# Altium PCB Nixie_PCB.PcbDoc (part 2 of 2)
Units mil, origin at the board's own origin, x right, y up, seen from the top; angles counter-clockwise.
Board outline 9450 x 3149.61 mil, 2 copper layers (Top Layer, Bottom Layer); 131 components, 158 nets, 577 pads, 248 vias.
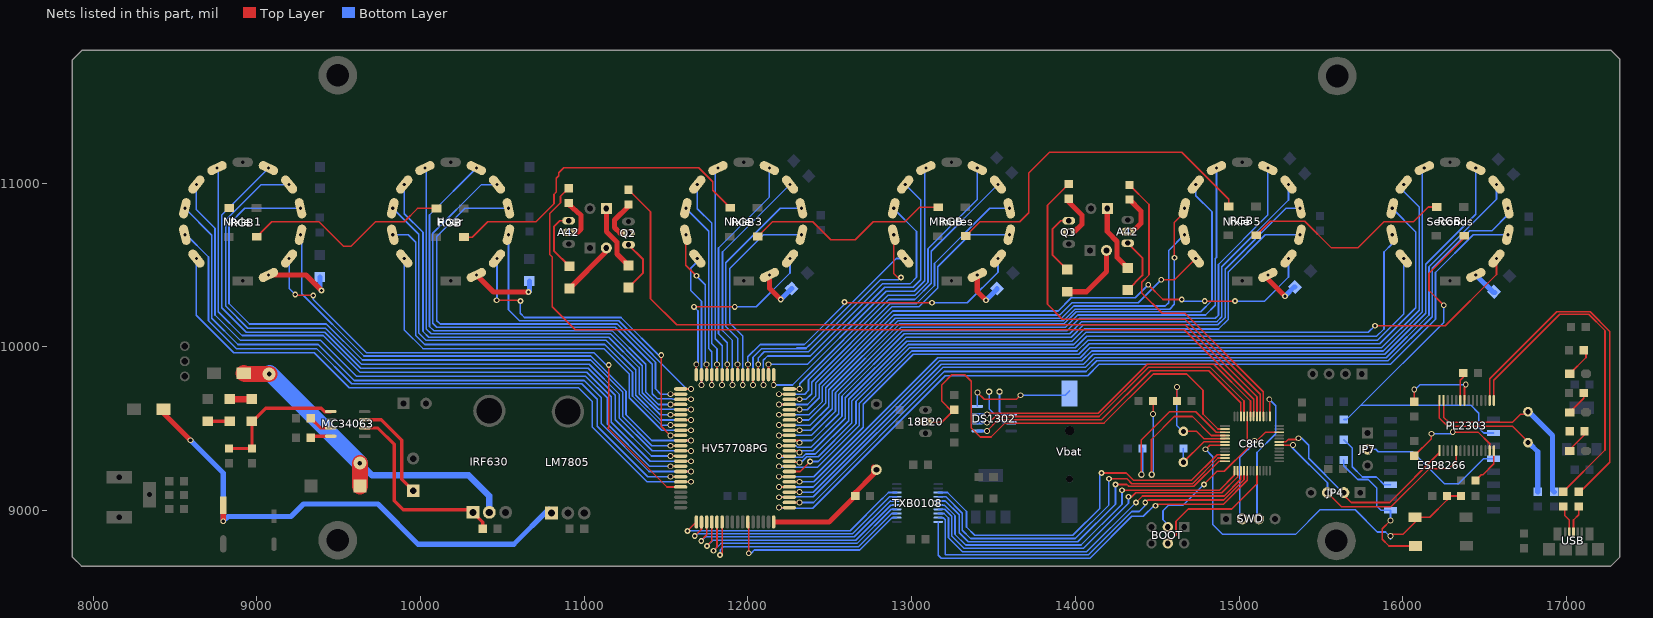
[diagram p2: the nets of this part, all layers, seen from the top]

## Via types
v1: diameter 35.43, hole 23.62, Top Layer to Bottom Layer, 109 vias
v2: diameter 35.43, hole 19.68, Top Layer to Bottom Layer, 99 vias
v3: diameter 39.37, hole 28, Top Layer to Bottom Layer, 36 vias
v4: diameter 78.74, hole 28, Top Layer to Bottom Layer, 3 vias
v5: diameter 39.37, hole 23.62, Top Layer to Bottom Layer, 1 vias

## Nets (pads, with @x,y where several pads share a name; then routed paths per layer and width w, separated by ;. In a path a pad name is that pad's centre, name@x,y a point inside that pad or via, vN(x,y) a via of type N, cw(c..) or ccw(c..) an arc to the next point about the centre after c; other vN are vias at no path point) (continued)
BLINK_1: 20K.2@10910,10492.5 A42.3@10905,10770.87 | length 386.7
  Top Layer w12: A42.3@10905,10770.87 10850.87,10770.87 10815,10735 10815,10587.5 20K.2@10910,10492.5
BLINK_2: Q2.3 R32.2 | length 343.3
  Top Layer w12: R32.2@11265,10357.5 R32.2@11270,10362.5 11360,10452.5 11360,10534.13 Q2.3@11270,10624.13
BLINK_3: Q3.3 R37.2 | length 405.8
  Top Layer w12: R37.2@13950,10472.5 13860,10562.5 13860,10720 13910.87,10770.87 Q3.3@13960,10770.87
BLINK_4: A42.3@14320,10634.13 R36.1 | length 382.4
  Top Layer w12: R36.1@14305,10332.5 R36.1@14320,10347.5 14410,10437.5 14410,10544.13 A42.3@14320,10634.13
BOOT0: BOOT.3 C8t6.44 | length 1005.4
  Top Layer w10: BOOT.3@14565,8900 BOOT.3@14565,8925 ; v2(14785,9160) 14865,9240 14910,9240 15050.12,9380.12 C8t6.44@15050.12,9575.51
  Bottom Layer w10: BOOT.3@14565,8900 14565,8915 14535,8945 14535,9000 14570,9035 14660,9035 v2(14785,9160)
BOOT1: BOOT.4 C8t6.20 | length 825.4
  Top Layer w10: BOOT.4@14565,8800 14615,8850 14615,8935 14690,9010 14955,9010 15109.17,9164.17 C8t6.20@15109.17,9244.8
CLK_CE: C8t6.46 DS1302.5 | length 1926.5
  Top Layer w10: v1(13459.8,9486.73) 13528.07,9555 14160,9555 14460,9855 14815,9855 15010.75,9659.25 C8t6.46@15010.75,9575.51
  Bottom Layer w19.68: DS1302.5@13401.65,9486.73 v1(13459.8,9486.73)
CLK_IO: C8t6.45 DS1302.6 | length 1950.8
  Top Layer w10: v1@13461.73,9540 13468.46,9540 13471.73,9536.73 13510,9575 14145,9575 14445,9875 14825,9875 15030.43,9669.57 C8t6.45@15030.43,9575.51
  Bottom Layer w19.68: DS1302.6@13401.65,9536.73 13404.92,9540 v1@13461.73,9540
  other v1: 13459.8,9536.73
CLK_SCLK: C8t6.43 DS1302.7 | length 1983.6
  Top Layer w10: v1(13459.8,9586.73) 13468.07,9595 14140,9595 14440,9895 14845,9895 15069.8,9670.2 C8t6.43@15069.8,9575.51
  Bottom Layer w19.68: DS1302.7@13401.65,9586.73 v1(13459.8,9586.73)
DIN1: C8t6.10 TXB0108.3 | length 2282.6
  Top Layer w10: v2(14160,9230) 14310,9230 14355,9185 14710,9185 14866.26,9341.26 C8t6.10@14914.29,9341.26
  Bottom Layer w10: TXB0108.3@13161.97,9110.59 13219.41,9110.59 13335,8995 13335,8900 13385,8850 13985,8850 14150,9015 14150,9230 v2(14160,9230)
DIN2: C8t6.11 TXB0108.4 | length 2241.7
  Top Layer w10: v2(14205,9195) 14315,9195 14345,9165 14715,9165 14871.58,9321.58 C8t6.11@14914.29,9321.58
  Bottom Layer w10: TXB0108.4@13161.97,9085 13210,9085 13310,8985 13310,8880 13360,8830 14000,8830 14205,9035 v2(14205,9195)
DIN3: C8t6.12 TXB0108.5 | length 2203.2
  Top Layer w10: v2(14245,9160) 14315,9160 14326,9149 14724,9149 14876.89,9301.89 C8t6.12@14914.29,9301.89
  Bottom Layer w10: TXB0108.5@13161.97,9059.41 13205.59,9059.41 13290,8975 13290,8865 13345,8810 14015,8810 14245,9040 v2(14245,9160)
DIN4: C8t6.13 TXB0108.6 | length 2232.6
  Top Layer w10: v2(14285,9125) 14880,9125 14971.38,9216.38 C8t6.13@14971.38,9244.8
  Bottom Layer w10: TXB0108.6@13161.97,9033.82 13201.18,9033.82 13265,8970 13265,8855 13330,8790 14035,8790 14285,9040 v2(14285,9125)
HV_CLK: C8t6.15 TXB0108.8 | length 2252.1
  Top Layer w10: v2(14370,9050) 14410,9090 14909.75,9090 15010.75,9191 C8t6.15@15010.75,9244.8
  Bottom Layer w10: TXB0108.8@13161.97,8982.64 13197.64,8982.64 13225,8955.28 13225,8835 13310,8750 14070,8750 v2(14370,9050)
HV_LE: C8t6.14 TXB0108.7 | length 2240.9
  Top Layer w10: v2(14325,9085) 14345,9085 14369,9109 14894,9109 14991.06,9206.06 C8t6.14@14991.06,9244.8
  Bottom Layer w10: TXB0108.7@13161.97,9008.23 13201.77,9008.23 13245,8965 13245,8845 13320,8770 14050,8770 14325,9045 v2(14325,9085)
HV_POL: C8t6.16 TXB0108.9 | length 2344.2
  Top Layer w10: v2(14427.5,9050) 14442.5,9065 14907.37,9065 15030.43,9188.06 C8t6.16@15030.43,9244.8
  Bottom Layer w10: TXB0108.9@13161.97,8957.05 13192.95,8957.05 13205,8945 13205,8730 14080,8730 14345,8995 14390,8995 14425,9030 v2@14425,9050
HVCLK: HV57708PG.30 TXB0108.13 | length 1414.4
  Top Layer w10: v2(11830,8730) 11840,8730 11842.26,8732.26 HV57708PG.30@11842.26,8931.2
  Bottom Layer w10: v2(11830,8730) 11830,8760 11850,8780 12675,8780 12877.64,8982.64 TXB0108.13@12910,8982.64
HVDIN1: HV57708PG.25 TXB0108.18 | length 1455.4
  Top Layer w10: v2(11630,8875) 11630,8875.98 11685,8930.98 HV57708PG.25@11684.78,8931.2
  Bottom Layer w10: v2@11630,8878 12625,8878 12821,9074 12821.63,9074 12858.22,9110.59 TXB0108.18@12910,9110.59
HVDIN2: HV57708PG.26 TXB0108.17 | length 1437.7
  Top Layer w10: v2(11675,8845) 11716.28,8886.28 HV57708PG.26@11716.28,8931.2
  Bottom Layer w10: v2(11675,8845) 11680,8845 11695,8860 12640,8860 12865,9085 TXB0108.17@12910,9085
HVDIN3: HV57708PG.27 TXB0108.16 | length 1433.1
  Top Layer w10: v2(11715,8815) 11710,8815 11747.77,8852.77 HV57708PG.27@11747.77,8931.2
  Bottom Layer w10: v2(11715,8815) 11740,8840 12650,8840 12869.41,9059.41 TXB0108.16@12910,9059.41
HVDIN4: HV57708PG.28 TXB0108.15 | length 1421.4
  Top Layer w10: v2(11750,8785) 11779.27,8814.27 HV57708PG.28@11779.27,8931.2
  Bottom Layer w10: v2(11750,8785) 11785,8820 12658.43,8820 12872.25,9033.82 TXB0108.15@12910,9033.82
HVLE: HV57708PG.29 TXB0108.14 | length 1409.7
  Top Layer w10: v2(11790,8755) 11810.76,8775.76 HV57708PG.29@11810.76,8931.2
  Bottom Layer w10: v2(11790,8755) 11835,8800 12666.72,8800 12874.94,9008.23 TXB0108.14@12910,9008.23
HVPOL: HV57708PG.35 TXB0108.12 | length 1188.3
  Top Layer w10: HV57708PG.35@11999.74,8931.2 12005,8925.94 v2(12005,8740)
  Bottom Layer w10: v2(12005,8740) 12019.48,8740 12039.48,8760 12683.28,8760 12880.33,8957.05 TXB0108.12@12910,8957.05
LED: R2.2
LOGIC_OE: C8t6.17 TXB0108.10 | length 2359.7
  Top Layer w10: v2(14490,9030) 14500,9040 14905,9040 15050.12,9185.12 C8t6.17@15050.12,9244.8
  Bottom Layer w10: TXB0108.10@13161.97,8931.46 13161.97,8728.03 13180,8710 14090,8710 14345,8965 14415,8965 14485,9035 v2(14490,9030)
NetC7_1: 32.768.2@14403.5,9220 C7.1 C8t6.3 | length 1041.4
  Top Layer w10: 32.768.2@14402.01,9205 14402.01,9432.01 14575,9605 14735,9605 14860.94,9479.06 C8t6.3@14914.29,9479.06
  Bottom Layer w10: 32.768.2@14402.01,9205 14410,9212.99 C7.1@14410,9380
NetC8_1: 20p.1@14475,9670 32.768.1@14466.5,9220 C8t6.4 | length 1254.3
  Top Layer w10: 32.768.1@14465,9205 14465,9435 14605,9575 14715,9575 14830.63,9459.37 C8t6.4@14914.29,9459.37 ; v1(14475,9590) 20p.1@14475,9670
  Bottom Layer w10: 32.768.1@14465,9205 14475,9215 v1(14475,9590)
NetC13_1: 12M.2 C13.1 PL2303.27 | length 1212.5
  Top Layer w10: PL2303.27@16249.25,9673.54 16249.25,9570.75 16280,9540 16670,9540 16720,9590 16765.51,9590 12M.2@16775,9599.49
  Bottom Layer w31.5: 12M.2@16775,9599.49 16915,9459.49 16915,9125 C13.1@16925,9115
NetC14_1: 12M.1 20p.1@16825,9115 PL2303.28 | length 1039.3
  Top Layer w10: PL2303.28@16223.66,9673.54 16223.66,9566.34 16275,9515 16670.51,9515 12M.1@16775,9410.51
  Bottom Layer w31.5: 12M.1@16775,9410.51 16825,9360.51 20p.1@16825,9115
NetC21_A: 100u.A LM7805.1 M7.K | length 3158.1
  Top Layer w31.5: M7.K@8430.55,9620 8430.55,9594.45 v1(8595,9430) ; v1(8795,8935) 100u.A@8795,9033.11
  Bottom Layer w31.5: v1(8595,9430) 8795,9230 v1(8795,8935) 8824.65,8964.65 9209.65,8964.65 9285,9040 9740,9040 9985,8795 10570,8795 LM7805.1@10785,9010
NetC502_A: 1n.A MC34063.3 | length 615.9
  Top Layer w20: MC34063.3@9658.35,9555 9760,9555 9885,9430 9885,9191.57 1n.A@9955,9121.57
NetC503_2: 1M.1 8.2K.2 104.2@8830,9380 MC34063.5 | length 829
  Top Layer w20: 104.2@8830,9380 8.2K.2@8970,9380 1M.1@8970,9546.59 8976.59,9546.59 9055,9625 9395,9625 9415,9605 MC34063.5@9451.65,9605
NetCR1_DC+: DS1302.8 Vbat.DC+ | length 686.9
  Top Layer w10: v1(13401.65,9721.65) 13443.31,9680 13640,9680 v1(13665,9705)
  Bottom Layer w10: DS1302.8@13401.65,9636.73 v1(13401.65,9721.65) ; v1(13665,9705) 13938.27,9705 Vbat.DC+@13965,9731.73
NetD1_K: 240K.2 HV57708PG.40 Zener.K | length 779.9
  Top Layer w31.5: HV57708PG.40@12165,8931.2 12496.2,8931.2 240K.2@12655,9090 12655,9110 12767.5,9222.5 Zener.K@12767.5,9267.5
NetJP7_2: ESP8266.12 JP7.2 | length 920.2
  Bottom Layer w10: JP7.2@15785,9375 15835,9375 15850,9360 16060,9360 16255,9165 16340,9165 16492.8,9317.8 ESP8266.12@16554.92,9317.8
NetL51_2: 330UH.2 IRF630.2 VD2.A | length 2054.3
  Top Layer w100: VD2.A@8920.55,9840 8925.55,9835 v4(9075,9835) ; 330UH.2@9630,9150 v4(9630,9290)
  Bottom Layer w39.37: v4(9630,9290) 9705,9215 10295,9215 10420,9090 IRF630.2@10420,8990
  Bottom Layer w100: v4(9075,9835) 9080,9840 v4(9630,9290)
NetLED1_A: LED.A R2.1 | length 160.6
  Top Layer w10: LED.A@17020,9365 17016,9369 17110,9463 R2.1@17110,9485
NetLED2_A: POWER.A R0.1 | length 154.4
  Top Layer w10: POWER.A@17020,9600.6 17106,9686.6 R0.1@17106,9719.4
NetLED3_2: RGB.2@16207,10855.19 RGB.4@15105,10683 | length 1308.4
  Top Layer w10: RGB.4@15105,10683 15190,10768 15402,10768 15565,10605 15725,10605 15885,10765 16065,10765 16155.19,10855.19 RGB.2@16207,10855.19
NetLED4_2: RGB.2@14937,10858.19 RGB.4@13330,10678 | length 2125.1
  Top Layer w10: RGB.4@13330,10678 13417,10765 13660,10765 13715,10820 13715,11063 13842,11190 14650,11190 14937,10903 RGB.2@14937,10858.19
NetLED5_2: RGB.2@13162,10853.19 RGB.4@12060,10675 | length 1266.9
  Top Layer w10: RGB.4@12060,10675 12150,10765 12395,10765 12505,10655 12655,10655 12765,10765 12960,10765 13048.19,10853.19 RGB.2@13162,10853.19
NetLED6_2: RGB.2@11892,10850.19 RGB.4@10266,10671 | length 2027.7
  Top Layer w10: RGB.4@10266,10671 10316,10671 10410,10765 10705,10765 10815,10875 10815,10931.52 10830,10946.52 10830,11030 10845,11045 10845,11065 10875,11095 11700,11095 11785,11010 11785,10957.19 RGB.2@11892,10850.19
NetLED7_2: RGB.2@10098,10846.19 RGB.4@9000,10673 | length 1294
  Top Layer w10: RGB.4@9000,10673 9092,10765 9380,10765 9530,10615 9575,10615 9725,10765 9900,10765 9981.19,10846.19 RGB.2@10098,10846.19
NetLED9_A: 8266IO.A R103.1 | length 190.2
  Top Layer w10: 8266IO.A@17020,9836.2 17119,9935.2 17119,9967 R103.1@17106,9980
"NetNixie 1_2": "Nixie 1.2" R40.2 | length 449.7
  Top Layer w31.5: 9071.15,10439.76 9300.24,10439.76 v2(9395,10345)
  Bottom Layer w31.5: R40.2@9385,10427.5 9385,10355 v2(9395,10345)
"NetNixie 2_2": Hour.2 R31.1 | length 431.8
  Top Layer w31.5: Hour.2@10341.15,10439.76 10445.91,10335 v2(10660,10335)
  Bottom Layer w31.5: v2(10660,10335) 10665,10340 R31.1@10665,10402.5
"NetNixie 3_2": "Nixie 3.2" R33.1 | length 273.4
  Top Layer w31.5: 12131.15,10439.76 12131.15,10358.85 v2(12200,10290)
  Bottom Layer w31.5: v2(12200,10290) R33.1@12267.27,10357.27
"NetNixie 4_2": Minutes.2 R34.1 | length 277.2
  Top Layer w31.5: Minutes.2@13401.15,10439.76 13401.15,10338.85 v2(13455,10285)
  Bottom Layer w31.5: v2(13455,10285) 13522.27,10352.27 R34.1@13522.27,10357.27
"NetNixie 5_2": "Nixie 5.2" R38.2 | length 258.8
  Top Layer w31.5: 15176.15,10439.76 15176.15,10413.85 v2(15280,10310)
  Bottom Layer w31.5: v2(15280,10310) 15337.27,10367.27 R38.2@15342.27,10367.27
"NetNixie 6_2": 20K.2@16557.27,10337.27 Seconds.2 | length 160.6
  Bottom Layer w31.5: Seconds.2@16446.15,10439.76 16553.64,10332.27 20K.2@16562.27,10332.27
NetPoint1_2: 20K.1@10910,10357.5 +.2@11135,10605 | length 340.7
  Top Layer w31.5: 20K.1@10910,10357.5 11135,10582.5 +.2@11135,10605
NetPoint2_1: +.1@11135,10845 R32.1 | length 403.4
  Top Layer w31.5: +.1@11135,10845 11135,10705 11200,10640 11200,10567.5 R32.1@11270,10497.5
NetPoint3_2: +.2@14190,10590 R37.1 | length 420.7
  Top Layer w31.5: R37.1@13950,10337.5 14067.5,10337.5 14190,10460 +.2@14190,10590
NetPoint4_1: +.1@14195,10845 R36.2 | length 414.3
  Top Layer w31.5: +.1@14195,10845 14195,10705 14255,10645 14255,10547.5 R36.2@14320,10482.5
NetQ1_2: 20K.1@10905,10880 A42.2@10905,10700 | length 282.5
  Top Layer w31.5: A42.2@10905,10700 10960,10700 10980,10720 10980,10805 10905,10870 20K.1@10905,10880 20K.1@10905,10885
NetQ2_2: Q2.2 R302.1 | length 274.7
  Top Layer w31.5: Q2.2@11270,10695 11220,10695 11185,10730 11185,10775 11270,10860 R302.1@11270,10870
NetQ3_2: Q3.2 R303.1 | length 288.8
  Top Layer w31.5: Q3.2@13960,10700 13965,10705 13995,10705 14040,10750 14040,10805 13960,10885 R303.1@13960,10905
NetQ4_2: A42.2@14320,10705 R304.1 | length 274.7
  Top Layer w31.5: A42.2@14320,10705 14350,10705 14400,10755 14400,10830 R304.1@14330,10900
NetQ5_1: IRF630.1 MC34063.2 R53.2 | length 1210.7
  Top Layer w20: MC34063.2@9658.35,9505 9740,9505 9840,9405 9840,9060 9895,9005 10320,9005 IRF630.1@10320,8990 10380,8930 R53.2@10380,8890
NetR10_2: PL2303.13 R10.2 | length 610.5
  Top Layer w10: R10.2@16070,9335 16175,9440 v1(16175,9470) ; v1(16305,9480) 16460,9480 16530.75,9409.25 PL2303.13@16530.75,9366.46
  Bottom Layer w10: v1(16175,9470) 16295,9470 v1(16305,9480)
NetR11_2: 10K.2@16445,9185 PL2303.14 | length 233.4
  Top Layer w10: 10K.2@16445,9185 16480,9220 16490,9220 16556.34,9286.34 PL2303.14@16556.34,9366.46
NetR12_1: 10K.1@16070,9665 PL2303.22 | length 520.4
  Top Layer w10: 10K.1@16070,9665 16065,9670 16070,9675 v1(16070,9740) ; PL2303.22@16377.2,9673.54 16377.2,9752.2 16385,9760 v1(16385,9770)
  Bottom Layer w10: v1@16065,9730 v1@16070,9735 ; v1(16070,9740) v1@16070,9735 ; v1(16385,9770) 16105,9770 v1@16070,9735
NetR13_1: 10K.1@16370,9840 PL2303.23 | length 174.1
  Top Layer w10: PL2303.23@16351.61,9673.54 16351.61,9796.61 16370,9815 10K.1@16370,9840
NetR14_1: 18.1@16980,9115 PL2303.15 | length 2099.9
  Top Layer w10: PL2303.15@16556.34,9673.54 16556.34,9796.34 16959,10199 17136,10199 17235,10100 17235,9370 18.1@16980,9115
NetR14_2: 18.2@16980,9025 USB.2 | length 170.5
  Top Layer w10: 18.2@16980,9025 16990,9015 16990,8970 17017.5,8942.5 USB.2@17017.5,8870
NetR15_1: 18.1@17075,9115 PL2303.16 | length 2150.2
  Top Layer w10: PL2303.16@16530.75,9673.54 16530.75,9805.75 16940,10215 17145,10215 17265,10095 17265,9295 17085,9115 18.1@17075,9115
NetR15_2: 18.2@17075,9025 USB.3 | length 168.3
  Top Layer w10: USB.3@17043,8870 17043,8943 17075,8975 18.2@17075,9025
NetR51_1: 100.1@9330,9445 MC34063.8 | length 125.8
  Top Layer w20: 100.1@9330,9445 9340,9455 MC34063.8@9451.65,9455
NetR52_1: 0.33.1 MC34063.7 | length 146.5
  Top Layer w20: 0.33.1@9330,9565 9390,9505 MC34063.7@9451.65,9505
NetR54_1: 47K.1 100K.1 | length 135
  Top Layer w20: 47K.1@8700,9546.59 100K.1@8835,9546.59
NetR55_2: 1M.2 100K.2 | length 135
  Top Layer w39.37: 100K.2@8835,9681.59 1M.2@8970,9681.59
NetR61_2: 10K.2@15640,9433.33 ESP8266.3 | length 465.1
  Bottom Layer w10: 10K.2@15640,9433.33 15691,9382.33 15691,9269 15754,9206 15839,9206 15886.26,9158.74 ESP8266.3@15925,9158.74
NetR62_2: 100.2@15640,9310 8266.1 ESP8266.1 | length 915.1
  Top Layer w10: v1(15925,8940) 15875,8890 15875,8825 15915.79,8784.21 8266.1@16077.69,8784.21
  Bottom Layer w10: 100.2@15640,9310 15640,9275 15725,9190 15790,9190 15840,9140 15840,9030 15867.56,9002.44 ESP8266.1@15925,9002.44 v1(15925,8940)
NetU7_2: 32.768.2@13536.5,9726.73 DS1302.2 | length 202
  Bottom Layer w10: 32.768.2@13536.5,9726.73 13536.5,9603.5 13553.27,9586.73 DS1302.2@13608.35,9586.73
NetU7_3: 32.768.1@13473.5,9726.73 DS1302.3 | length 275.2
  Bottom Layer w10: 32.768.1@13473.5,9726.73 13473.5,9621.5 13558.27,9536.73 DS1302.3@13608.35,9536.73
OSCIN: 8M.1 20p.1@14620,9670 C8t6.5 | length 647.6
  Top Layer w10: 20p.1@14620,9670 v1(14620,9755) ; 8M.1@14660,9484.49 14740.51,9484.49 14785.31,9439.69 C8t6.5@14914.29,9439.69
  Bottom Layer w10: v1(14620,9755) 14620,9520 14655.51,9484.49 8M.1@14660,9484.49
OSCOUT: 8M.2 C8t6.6 C9.1 | length 390.3
  Top Layer w10: 8M.2@14660,9295.51 14784.49,9420 C8t6.6@14914.29,9420
  Bottom Layer w10: 8M.2@14660,9295.51 C9.1@14660,9380
POINT_1: 20K.2@10905,10970 C8t6.42 | length 5402.2
  Top Layer w10: 20K.2@10905,10970 10855,10920 10855,10880 10790,10815 10790,10565 10805,10550 10805,10245 10945,10105 14665,10105 15089.49,9680.51 C8t6.42@15089.49,9575.51
POINT_2: C8t6.41 R302.2 | length 4793.6
  Top Layer w10: R302.2@11270,10960 11405,10825 11405,10295 11565,10135 14670,10135 15109.17,9695.83 C8t6.41@15109.17,9575.51
POINT_3: C8t6.40 R303.2 | length 2450.7
  Top Layer w10: R303.2@13960,10995 13830,10865 13830,10260 13920,10170 14670,10170 15128.86,9711.14 C8t6.40@15128.86,9575.51
POINT_4: C8t6.39 R304.2 | length 1872.8
  Top Layer w10: R304.2@14330,10990 14450,10870 14450,10440 14405,10395 14405,10330 14530,10205 14670,10205 15148.54,9726.46 C8t6.39@15148.54,9575.51
QS1-0: "Nixie 1.3" HV57708PG.20 | length 3328.4
  Top Layer w10: v2(9235,10320) 9240,10325 9250,10315 v2(9345,10315) ; v2(11150,9890) 11150,9510 11145,9505 11505.22,9144.78 HV57708PG.20@11589.31,9144.78
  Bottom Layer w10: 9197.18,10540.26 9197.18,10357.82 v2(9235,10320) ; v2(9345,10315) 9345,10290 9670,9965 11060,9965 11135,9890 v2(11150,9890)
QS1-1: "Nixie 1.13" HV57708PG.19 | length 3943.1
  Top Layer w10: HV57708PG.19@11589.31,9176.28 v1(11652.38,9176.28)
  Bottom Layer w10: 8630.82,10540.26 8630.82,10194.18 8860,9965 9350,9965 9565,9750 10965,9750 11050,9665 11050,9510 11383.72,9176.28 v1(11652.38,9176.28)
QS1-2: "Nixie 1.12" HV57708PG.18 | length 3965.6
  Top Layer w10: v1(11526.24,9207.77) HV57708PG.18@11589.31,9207.77
  Bottom Layer w10: 8560.88,10685.5 8569.5,10685.5 8705,10550 8705,10160 8875,9990 9365,9990 9580,9775 10985,9775 11080,9680 11080,9515 11387.23,9207.77 v1(11526.24,9207.77)
QS1-3: "Nixie 1.11" HV57708PG.17 | length 4211.4
  Top Layer w10: HV57708PG.17@11589.31,9239.27 v1(11652.38,9239.27)
  Bottom Layer w10: 8560.88,10846.69 8725,10682.57 8725,10175 8885,10015 9375,10015 9595,9795 11000,9795 11105,9690 11105,9530 11395.73,9239.27 v1(11652.38,9239.27)
QS1-4: "Nixie 1.10" HV57708PG.16 | length 4165.1
  Top Layer w10: v1(11526.24,9270.76) HV57708PG.16@11589.31,9270.76
  Bottom Layer w10: 8630.82,10991.93 8630.82,10839.18 8745,10725 8745,10195 8900,10040 9390,10040 9610,9820 11010,9820 11140,9690 11140,9530 11399.24,9270.76 v1(11526.24,9270.76)
QS1-5: "Nixie 1.9" HV57708PG.15 | length 4304
  Top Layer w10: HV57708PG.15@11589.31,9302.26 v1(11652.38,9302.26) 11652.38,9302.38 v1@11655,9305
  Bottom Layer w10: 8756.85,11092.43 8765,11084.28 8765,10215 8910,10070 9405,10070 9630,9845 11015,9845 11165,9695 11165,9540 11402.74,9302.26 v1(11652.38,9302.26)
QS1-6: "Nixie 1.7" HV57708PG.14 | length 4238.5
  Top Layer w10: v1(11526.24,9333.76) HV57708PG.14@11589.31,9333.76
  Bottom Layer w10: 9071.15,11092.43 8785,10806.28 8785,10240 8935,10090 9415,10090 9635,9870 11025,9870 11190,9705 11190,9555 11411.24,9333.76 v1(11526.24,9333.76)
QS1-7: "Nixie 1.6" HV57708PG.13 | length 4358.9
  Top Layer w10: HV57708PG.13@11589.31,9365.25 v1(11652.38,9365.25)
  Bottom Layer w10: 9197.18,10991.93 9026.93,10991.93 8810,10775 8810,10250 8945,10115 9420,10115 9640,9895 11030,9895 11215,9710 11215,9565 11414.75,9365.25 v1(11652.38,9365.25)
QS1-8: "Nixie 1.5" HV57708PG.12 | length 4169
  Top Layer w10: v1(11526.24,9396.75) HV57708PG.12@11589.31,9396.75
  Bottom Layer w10: 9267.12,10846.69 8926.69,10846.69 8830,10750 8830,10265 8955,10140 9425,10140 9645,9920 11040,9920 11235,9725 11235,9575 11413.25,9396.75 v1(11526.24,9396.75)
QS1-9: "Nixie 1.4" HV57708PG.11 | length 3260.6
  Top Layer w10: HV57708PG.11@11589.31,9428.24 v1(11652.38,9428.24)
  Bottom Layer w10: 9267.12,10685.5 9275,10677.62 9275,10325 9655,9945 11040,9945 11255,9730 11255,9585 11411.76,9428.24 v1(11652.38,9428.24)
QS2-0: Hour.3 HV57708PG.10 | length 2046.6
  Top Layer w10: v2(10465,10285.63) 10604.37,10285.63 v2(10610,10280) ; v2(11470,9950) 11470,9515.98 v1(11526.24,9459.74) HV57708PG.10@11589.31,9459.74
  Bottom Layer w10: v2@10465.63,10280.63 10465.63,10285 v2(10465,10285.63) 10467.18,10287.82 Hour.3@10467.18,10540.26 ; v2(10610,10280) 10610,10205 10635,10180 11225,10180 11470,9935 v2(11470,9950)
QS2-1: Hour.13 HV57708PG.9 | length 2589.5
  Top Layer w10: HV57708PG.9@11589.31,9491.24 v1(11652.38,9491.24)
  Bottom Layer w10: Hour.13@9900.82,10540.26 9900.82,10104.18 10015,9990 11120,9990 11275,9835 11275,9690 11473.76,9491.24 v1(11652.38,9491.24)
QS2-2: Hour.12 HV57708PG.8 | length 2658.9
  Top Layer w10: v1(11526.24,9522.73) HV57708PG.8@11589.31,9522.73
  Bottom Layer w10: Hour.12@9830.88,10685.5 9924.5,10685.5 9970,10640 9970,10070 10025,10015 11125,10015 11295,9845 11295,9700 11472.27,9522.73 v1(11526.24,9522.73)
QS2-3: Hour.11 HV57708PG.7 | length 2863.7
  Top Layer w10: HV57708PG.7@11589.31,9554.23 v1(11652.38,9554.23)
  Bottom Layer w10: Hour.11@9830.88,10846.69 9990,10687.57 9990,10085 10035,10040 11135,10040 11315,9860 11315,9705 11465.77,9554.23 v1(11652.38,9554.23)
QS2-4: Hour.10 HV57708PG.6 | length 2823.2
  Top Layer w10: v1(11526.24,9585.72) HV57708PG.6@11589.31,9585.72
  Bottom Layer w10: Hour.10@9900.82,10991.93 9900.82,10814.18 10015,10700 10015,10095 10050,10060 11150,10060 11335,9875 11335,9715 11464.28,9585.72 v1(11526.24,9585.72)
QS2-5: Hour.9 HV57708PG.5 | length 2967
  Top Layer w10: HV57708PG.5@11589.31,9617.22 v1(11652.38,9617.22)
  Bottom Layer w10: Hour.9@10026.85,11092.43 10035,11084.28 10035,10110 10065,10080 11160,10080 11355,9885 11355,9720 11455,9620 11649.6,9620 v1(11652.38,9617.22)
QS2-6: Hour.7 HV57708PG.4 | length 2917.1
  Top Layer w10: v1(11526.24,9648.72) HV57708PG.4@11589.31,9648.72
  Bottom Layer w10: Hour.7@10341.15,11092.43 10055,10806.28 10055,10125 10080,10100 11170,10100 11375,9895 11375,9725 11451.28,9648.72 v1(11526.24,9648.72)
QS2-7: Hour.6 HV57708PG.3 | length 3002.4
  Top Layer w10: HV57708PG.3@11589.31,9680.21 v1(11652.38,9680.21)
  Bottom Layer w10: Hour.6@10467.18,10991.93 10371.93,10991.93 10075,10695 10075,10145 10100,10120 11190,10120 11415,9895 11415,9715 11447.01,9682.99 11538.13,9682.99 ; 11540.14,9680 v1@11647.59,9680 ; v1@11647.59,9685 v1(11652.38,9680.21)
QS2-8: Hour.5 HV57708PG.2 | length 2793
  Top Layer w10: v1(11526.24,9711.71) HV57708PG.2@11589.31,9711.71
  Bottom Layer w10: Hour.5@10537.12,10846.69 10271.69,10846.69 10100,10675 10100,10160 10120,10140 11201.72,10140 11435,9906.72 11435,9745 11468.29,9711.71 v1(11526.24,9711.71)
QS2-9: Hour.4 HV57708PG.1 | length 1836.7
  Top Layer w10: HV57708PG.1@11589.31,9743.2 v1(11652.38,9743.2)
  Bottom Layer w10: Hour.4@10537.12,10685.5 10537.12,10227.88 10605,10160 11210,10160 11626.8,9743.2 v1(11652.38,9743.2)
QS3-0: "Nixie 3.3" HV57708PG.80 | length 1189.9
  Top Layer w10: v2(11670,10245) v2(11920,10245) ; HV57708PG.80@11684.78,9830.8 v1(11684.78,9893.88)
  Bottom Layer w10: v2(11670,10245) 11695,10220 11695,9904.1 v1(11684.78,9893.88) ; v2(11920,10245) 12050,10245 12257.18,10452.18 12257.18,10540.26
QS3-1: "Nixie 3.13" HV57708PG.79 | length 880
  Top Layer w10: v1(11716.28,9767.73) HV57708PG.79@11716.28,9830.8
  Bottom Layer w10: 11690.82,10540.26 11690.82,10520.82 11650,10480 11650,10345 11716.28,10278.72 v1(11716.28,9767.73)
QS3-2: "Nixie 3.12" HV57708PG.78 | length 907.3
  Top Layer w10: 11620.88,10685.5 11620.88,10499.12 v2(11685,10435) ; HV57708PG.78@11747.77,9830.8 v1(11747.77,9893.88)
  Bottom Layer w10: v2(11685,10435) 11740,10380 11740,9901.65 v1(11747.77,9893.88)
QS3-3: "Nixie 3.11" HV57708PG.77 | length 1207.6
  Top Layer w10: v1(11779.27,9767.73) HV57708PG.77@11779.27,9830.8
  Bottom Layer w10: 11620.88,10846.69 11760,10707.57 11760,9990 11779.27,9970.73 v1(11779.27,9767.73)
QS3-4: "Nixie 3.10" HV57708PG.76 | length 1210.8
  Top Layer w10: HV57708PG.76@11810.76,9830.8 v1(11810.76,9893.88)
  Bottom Layer w10: 11690.82,10991.93 11690.82,10844.18 11780,10755 11780,10020 11810.76,9989.24 v1(11810.76,9893.88)
QS3-5: "Nixie 3.9" HV57708PG.75 | length 1412.3
  Top Layer w10: v1(11842.26,9767.73) HV57708PG.75@11842.26,9830.8
  Bottom Layer w10: 11816.85,11092.43 11800,11075.58 11800,10050 11842.26,10007.74 v1(11842.26,9767.73)
QS3-6: "Nixie 3.7" HV57708PG.74 | length 1412.8
  Top Layer w10: HV57708PG.74@11873.76,9830.8 v1(11873.76,9893.88)
  Bottom Layer w10: v1(11873.76,9893.88) 11873.76,10026.24 11820,10080 11820,10605 12131.15,10916.15 12131.15,11092.43
QS3-7: "Nixie 3.6" HV57708PG.73 | length 1483
  Top Layer w10: v1(11905.25,9767.73) HV57708PG.73@11905.25,9830.8
  Bottom Layer w10: v1(11905.25,9767.73) 11905.25,10039.75 11845,10100 11845,10579.74 12257.18,10991.93
QS3-8: "Nixie 3.5" HV57708PG.72 | length 1313.4
  Top Layer w10: HV57708PG.72@11936.75,9830.8 v1(11936.75,9893.88)
  Bottom Layer w10: v1(11936.75,9893.88) 11936.75,10053.25 11865,10125 11865,10515 12196.69,10846.69 12327.12,10846.69
QS3-9: "Nixie 3.4" HV57708PG.71 | length 1330
  Top Layer w10: v1(11968.24,9767.73) HV57708PG.71@11968.24,9830.8
  Bottom Layer w10: v1(11968.24,9767.73) 11968.24,10066.76 11890,10145 11890,10480 12095.5,10685.5 12327.12,10685.5
QS4-0: HV57708PG.70 Minutes.3 | length 1946.7
  Top Layer w10: HV57708PG.70@11999.74,9830.8 v1(11999.74,9893.88) ; v2(12590,10275) 12595,10270 v2(13125,10270)
  Bottom Layer w10: v1(11999.74,9893.88) 11999.74,9939.74 12075,10015 12345,10015 12590,10260 v2(12590,10275) ; v2(13125,10270) 13340,10270 13527.18,10457.18 Minutes.3@13527.18,10540.26
QS4-1: HV57708PG.69 Minutes.13 | length 1468.6
  Top Layer w10: v1(12031.24,9767.73) HV57708PG.69@12031.24,9830.8
  Bottom Layer w10: v1(12031.24,9767.73) 12031.24,9936.24 12085,9990 12356.63,9990 ; 12300,9994 12351.63,9994 ; 12356.63,9994 12375.63,10013 ; 12371.19,10006.19 12905.26,10540.26 Minutes.13@12960.82,10540.26
QS4-2: HV57708PG.68 Minutes.12 | length 1476.9
  Top Layer w10: HV57708PG.68@12062.73,9830.8 v1(12062.73,9893.88) ; Minutes.12@12890.88,10685.5 12890.88,10449.12 12925,10415 v2(12935,10425)
  Bottom Layer w10: v1(12062.73,9893.88) 12062.73,9932.73 12100,9970 12370,9970 12810,10410 12920,10410 v2(12935,10425)
QS4-3: HV57708PG.67 Minutes.11 | length 1839.2
  Top Layer w10: v1(12094.23,9767.73) HV57708PG.67@12094.23,9830.8
  Bottom Layer w10: v1(12094.23,9767.73) 12094.23,9919.23 12120,9945 12380,9945 12820,10385 12990,10385 13030,10425 13030,10705 12890.88,10844.12 Minutes.11@12890.88,10846.69
QS4-4: HV57708PG.66 Minutes.10 | length 1827.1
  Top Layer w10: HV57708PG.66@12125.72,9830.8 v1(12125.72,9893.88)
  Bottom Layer w10: v1(12125.72,9893.88) 12363.88,9893.88 12835,10365 13010,10365 13055,10410 13055,10897.74 Minutes.10@12960.82,10991.93
QS4-5: HV57708PG.65 Minutes.9 | length 1940.1
  Top Layer w10: v1(12157.22,9767.73) HV57708PG.65@12157.22,9830.8
  Bottom Layer w10: v1(12157.22,9767.73) 12272.73,9767.73 12845,10340 13015,10340 13080,10405 13080,11085.58 Minutes.9@13086.85,11092.43
QS4-6: HV57708PG.64 Minutes.7 | length 1958.5
  Top Layer w10: HV57708PG.64@12252.69,9743.2 v1(12315.76,9743.2)
  Bottom Layer w10: v1(12315.76,9743.2) 12315.76,9775.76 12855,10315 13020,10315 13100,10395 13100,10600 13401.15,10901.15 Minutes.7@13401.15,11092.43
QS4-7: HV57708PG.63 Minutes.6 | length 2083.1
  Top Layer w10: v1(12189.62,9711.71) HV57708PG.63@12252.69,9711.71
  Bottom Layer w10: v1(12189.62,9711.71) 12346.71,9711.71 12370,9735 12370,9800 12860,10290 13020,10290 13120,10390 13120,10584.74 Minutes.6@13527.18,10991.93
QS4-8: HV57708PG.62 Minutes.5 | length 1947.7
  Top Layer w10: HV57708PG.62@12252.69,9680.21 v1(12315.76,9680.21)
  Bottom Layer w10: v1(12315.76,9680.21) 12355.21,9680.21 12390,9715 12390,9785 12870,10265 13030,10265 13140,10375 13140,10510 13476.69,10846.69 Minutes.5@13597.12,10846.69
QS4-9: HV57708PG.61 Minutes.4 | length 2023
  Top Layer w10: v1(12189.62,9648.72) HV57708PG.61@12252.69,9648.72
  Bottom Layer w10: v1(12189.62,9648.72) 12363.72,9648.72 12415,9700 12415,9780 12880,10245 13045,10245 13160,10360 13160,10490 13355.5,10685.5 Minutes.4@13597.12,10685.5
QS5-0: "Nixie 5.3" HV57708PG.60 | length 3627.6
  Top Layer w10: HV57708PG.60@12252.69,9617.22 v1(12315.77,9617.22) ; v2(14445,10380) 14535,10290 v2(14650,10290) ; v2(14790,10280) v2(14975,10280)
  Bottom Layer w10: v1(12315.77,9617.22) 12362.22,9617.22 12435,9690 12435,9769.75 12885.25,10220 13895,10220 13975,10300 14365,10300 v2(14445,10380) ; v2(14650,10290) 14660,10280 v2(14790,10280) ; v2(14975,10280) 15155,10280 15302.18,10427.18 15302.18,10540.26
QS5-1: "Nixie 5.13" HV57708PG.59 | length 3058.9
  Top Layer w10: v1(12189.62,9585.72) HV57708PG.59@12252.69,9585.72 ; v2(14525,10410) 14605.55,10410 14735.82,10540.26
  Bottom Layer w10: v1(12189.62,9585.72) 12373.35,9585.72 12455,9667.37 12455,9760 12890,10195 13905,10195 13980,10270 14385,10270 v2(14525,10410)
QS5-2: "Nixie 5.12" HV57708PG.58 | length 3123.3
  Top Layer w10: HV57708PG.58@12252.69,9554.23 v1(12315.76,9554.23)
  Bottom Layer w10: v1(12315.76,9554.23) 12371.86,9554.23 12475,9657.37 12475,9750 12900,10175 13915,10175 13990,10250 14550,10250 14570,10270 14570,10589.62 14665.88,10685.5
QS5-3: "Nixie 5.11" HV57708PG.57 | length 3455.7
  Top Layer w10: v1(12189.62,9522.73) HV57708PG.57@12252.69,9522.73 ; v2(14605,10545) 14605,10760 14665.88,10820.88 14665.88,10846.69
  Bottom Layer w10: v1(12189.62,9522.73) 12380.36,9522.73 12493,9635.37 12493,9737.75 12914.25,10159 13926.37,10159 13998.37,10231 14576,10231 14605,10260 v2(14605,10545)
QS5-4: "Nixie 5.10" HV57708PG.56 | length 3722.4
  Top Layer w10: HV57708PG.56@12252.69,9491.24 v1(12315.76,9491.24)
  Bottom Layer w10: v1(12315.76,9491.24) 12383.86,9491.24 12515,9622.37 12515,9729.75 12925.25,10140 13930,10140 14005,10215 14765.61,10215 14835,10284.39 14835,10825 14735.82,10924.18 14735.82,10991.93
QS5-5: "Nixie 5.9" HV57708PG.55 | length 3964
  Top Layer w10: v1(12189.62,9459.74) HV57708PG.55@12252.69,9459.74
  Bottom Layer w10: v1(12189.62,9459.74) 12190.12,9460.24 12387.87,9460.24 12535,9607.37 12535,9719.75 12935.25,10120 13940,10120 14015,10195 14795,10195 14855,10255 14855,10540 14861.85,10546.85 14861.85,11092.43
QS5-6: "Nixie 5.7" HV57708PG.54 | length 4030.8
  Top Layer w10: HV57708PG.54@12252.69,9428.24 v1@12315.76,9428.24
  Bottom Layer w10: v1@12315.76,9428.24 12390.87,9428.24 12555,9592.37 12555,9709.75 12945.25,10100 13950,10100 14025,10175 14855,10175 14874,10194 14874,10504 15176.15,10806.15 15176.15,11092.43
  other v1: 12315,9415
QS5-7: "Nixie 5.6" HV57708PG.53 | length 4151
  Top Layer w10: v1(12189.62,9396.75) HV57708PG.53@12252.69,9396.75
  Bottom Layer w10: v1(12189.62,9396.75) 12292.64,9396.75 12303.11,9386.28 12383.91,9386.28 12575,9577.37 12575,9700 12955,10080 13965,10080 14040,10155 14865,10155 14895,10185 14895,10490 15302.18,10897.18 15302.18,10991.93
QS5-8: "Nixie 5.5" HV57708PG.52 | length 3979.1
  Top Layer w10: HV57708PG.52@12252.69,9365.25 v1@12315.76,9365.25
  Bottom Layer w10: v1@12315.76,9365.25 12395.25,9365.25 12595,9565 12595,9690 12965,10060 13975,10060 14050,10135 14870,10135 14915,10180 14915,10475 15286.69,10846.69 15372.12,10846.69
  other v1: 12315,9355
QS5-9: "Nixie 5.4" HV57708PG.51 | length 4057.7
  Top Layer w10: v1(12189.62,9333.76) HV57708PG.51@12252.69,9333.76
  Bottom Layer w10: v1(12189.62,9333.76) 12197.09,9326.28 12333.66,9326.28 12353.37,9346 12411,9346 12615,9550 12615,9680 12970,10035 13980,10035 14055,10110 14875,10110 14935,10170 14935,10460 15160.5,10685.5 15372.12,10685.5
QS6-0: HV57708PG.50 Seconds.3 | length 4978.6
  Top Layer w10: HV57708PG.50@12252.69,9302.26 12259.95,9295 v1(12315,9295) ; v2(15830,10130) 16260,10130 16572.18,10442.18 Seconds.3@16572.18,10540.26
  Bottom Layer w10: v1(12315,9295) 12315,9301.5 12331.5,9301.5 12360,9330 12430,9330 12635,9535 12635,9670 12980,10015 13990,10015 14065,10090 15790,10090 v2(15830,10130)
QS6-1: HV57708PG.49 Seconds.13 | length 4687.8
  Top Layer w10: v1(12189.62,9270.76) HV57708PG.49@12252.69,9270.76
  Bottom Layer w10: v1(12189.62,9270.76) 12195.38,9265 12425,9265 12680,9520 12680,9655 13000,9975 14010,9975 14075,10040 15845,10040 16005.82,10200.82 Seconds.13@16005.82,10540.26
QS6-2: HV57708PG.48 Seconds.12 | length 4670.2
  Top Layer w10: HV57708PG.48@12252.69,9239.27 12319.27,9239.27 v2(12380,9300)
  Bottom Layer w10: v2(12380,9300) 12430,9300 12660,9530 12660,9667.63 12987.37,9995 14000,9995 14070,10065 15840,10065 15885,10110 15885,10580 15935.88,10630.88 Seconds.12@15935.88,10685.5
QS6-3: HV57708PG.47 Seconds.11 | length 5129.4
  Top Layer w10: v1(12189.62,9207.77) HV57708PG.47@12252.69,9207.77
  Bottom Layer w10: v1(12189.62,9207.77) 12402.77,9207.77 12705,9510 12705,9650 13010,9955 14020,9955 14085,10020 15860,10020 16080,10240 16080,10702.57 Seconds.11@15935.88,10846.69
QS6-4: HV57708PG.46 Seconds.10 | length 5087.6
  Top Layer w10: HV57708PG.46@12252.69,9176.28 v1(12315.76,9176.28)
  Bottom Layer w10: v1(12315.76,9176.28) 12401.28,9176.28 13160,9935 14030,9935 14090,9995 15870,9995 16100,10225 16100,10855 16005.82,10949.18 Seconds.10@16005.82,10991.93
QS6-5: HV57708PG.45 Seconds.9 | length 5319.1
  Top Layer w10: v1(12189.62,9144.78) HV57708PG.45@12252.69,9144.78
  Bottom Layer w10: v1(12189.62,9144.78) 12399.78,9144.78 13170,9915 14040,9915 14100,9975 15880,9975 16120,10215 16120,11080.58 Seconds.9@16131.85,11092.43
QS6-6: HV57708PG.44 Seconds.7 | length 5353.8
  Top Layer w10: HV57708PG.44@12252.69,9113.28 v1(12315.76,9113.28)
  Bottom Layer w10: v1(12315.76,9113.28) 12398.28,9113.28 13180,9895 14050,9895 14110,9955 15890,9955 16140,10205 16140,10505 16446.15,10811.15 Seconds.7@16446.15,11092.43
QS6-7: HV57708PG.43 Seconds.6 | length 5462.6
  Top Layer w10: v1(12189.62,9081.79) HV57708PG.43@12252.69,9081.79
  Bottom Layer w10: v1(12189.62,9081.79) 12192.83,9085 12303.44,9085 12303.87,9084.57 12399.57,9084.57 13190,9875 14060,9875 14120,9935 15900,9935 16160,10195 16160,10490 16572.18,10902.18 Seconds.6@16572.18,10991.93
QS6-8: HV57708PG.42 Seconds.5 | length 5329.5
  Top Layer w10: HV57708PG.42@12252.69,9050.29 v1(12315.76,9050.29)
  Bottom Layer w10: v1(12315.76,9050.29) 12400.29,9050.29 13200,9850 14065,9850 14130,9915 15910,9915 16180,10185 16180,10480 16410,10710 16545,10710 16642.12,10807.12 Seconds.5@16642.12,10846.69
QS6-9: HV57708PG.41 Seconds.4 | length 5376
  Top Layer w10: v1(12189.62,9018.8) HV57708PG.41@12252.69,9018.8
  Bottom Layer w10: v1(12189.62,9018.8) 12193.42,9015 12395,9015 13205,9825 14075,9825 14145,9895 15925,9895 16200,10170 16200,10455 16430.5,10685.5 Seconds.4@16642.12,10685.5
RGB_IN: 10K.1@15640,9556.67 ESP8266.10 RGB.4@16375,10680 | length 2467.1
  Top Layer w10: v2(16250,10255) 16160,10345 16160,10450 RGB.4@16401,10691
  Bottom Layer w10: 10K.1@15640,9556.67 15656.67,9556.67 15745,9645 ; v2(16250,10255) 16250,10150 15745,9645 ; ESP8266.10@16554.92,9474.49 16495.51,9474.49 16465,9505 16465,9595 16415,9645 15745,9645
RGB_OUT: RGB.2@8832,10848.19
RSET: 10k.1 C8t6.7 C102.2 MCU.2 | length 2414.9
  Top Layer w10: v1(14795,9375) 14820.32,9400.32 C8t6.7@14914.29,9400.32 ; v1(15925,8845) 15935,8855 16000,8855 16105,8960 16165,8960 16270,9065 10k.1@16270,9090 C102.2@16355,9090
  Bottom Layer w10: v1(14795,9375) 14840,9330 14840,8915 14900,8855 15345,8855 15495,9005 15710,9005 15845,8870 15895,8870 v1@15925,8840 ; 15925,8825 v1@15925,8840 ; v1(15925,8845) v1@15925,8840
RXD: C8t6.30 JP4.3 PL2303.5 | length 1467.9
  Top Layer w10: C8t6.30@15245,9400.32 v1(15330.32,9400.32) ; JP4.3@15540,9110 15625,9025 15930,9025 16160,9255 16280,9255 16326.02,9301.02 PL2303.5@16326.02,9366.46
  Bottom Layer w10: v1(15330.32,9400.32) 15330.32,9390.32 15325,9385 15540,9170 JP4.3@15540,9110
SWCK: C8t6.37 SWD.3 | length 904
  Top Layer w10: v1(15185,9680) 15187.91,9677.09 C8t6.37@15187.91,9575.51
  Bottom Layer w10: SWD.3@15120,8950 15110,8960 15110,9355 15225,9470 15225,9640 v1(15185,9680)
SWIO: C8t6.34 SWD.2 | length 690.9
  Top Layer w10: v1(15095,9425) 15106.89,9425 15160.94,9479.06 C8t6.34@15245,9479.06
  Bottom Layer w10: SWD.2@15020,8950 15005,8965 15005,9325 15095,9415 v1(15095,9425)
TEMP_DQ: 4.7K.2 18B20.2 C8t6.2 | length 2852.2
  Top Layer w10: 18B20.2@13085,9560.83 13105.83,9540 13183.27,9540 13248.27,9605 13185,9668.27 13185,9770 13245,9830 13325,9830 13365,9790 13365,9505 13420,9450 13485,9450 13570,9535 14175,9535 14475,9835 14680,9835 14780,9735 14780,9590 14871.26,9498.74 C8t6.2@14914.29,9498.74
TXD: C8t6.31 JP4.2 PL2303.1 | length 1344.8
  Top Layer w10: C8t6.31@15245,9420 15285,9420 15300,9435 15355,9435 v1(15362.5,9442.5) ; JP4.2@15640,9110 15640,9095 15685,9050 15920,9050 16223.66,9353.66 PL2303.1@16223.66,9366.46
  Bottom Layer w10: v1(15362.5,9442.5) 15382.5,9442.5 15425,9400 15425,9320 15635,9110 JP4.2@15640,9110
pads on no net: "Nixie 1.1" "Nixie 1.8" "Nixie 3.1" "Nixie 3.8" "Nixie 5.1" "Nixie 5.8" C8t6.18 C8t6.19 C8t6.25 C8t6.26 C8t6.27 C8t6.28 C8t6.29 C8t6.32 C8t6.33 C8t6.38 ESP8266.2 ESP8266.5 ESP8266.6 ESP8266.7 ESP8266.11 ESP8266.13 ESP8266.14 Hour.1 Hour.8 HV57708PG.21 HV57708PG.22 HV57708PG.23 HV57708PG.24 HV57708PG.36 HV57708PG.37 HV57708PG.38 HV57708PG.39 IRF630.0 LM7805.0 Minutes.1 Minutes.8 PL2303.2 PL2303.3 PL2303.6 PL2303.9 PL2303.10 PL2303.11 PL2303.12 Seconds.1 Seconds.8 TXB0108.1 TXB0108.20 Vbat.0
copper on no net:
  other v1: 15192.76,9301.89 15192.76,9380.63
  other v3: 15595,8720 9495,8725 15660,8750 9560,8755 15530,8755 9430,8760 15500,8810 15690,8810 9400,8815 9590,8815 15525,8870 15670,8870 9425,8875 9570,8875 15600,8905 9500,8910 15600,11560 9495,11565 15665,11590 9560,11595 15535,11595 9430,11600 15505,11650 15695,11650 9400,11655 9590,11655 15530,11710 15675,11710 9425,11715 9570,11715 15605,11745 9500,11750

## Polygon pours and split planes (outlines as drawn)
170VGND on Top Layer "AGND" (hatched 90Degree grid 20 track 8, remove dead copper, pour order 16): 7874.02,11745 7931.02,11802.01 7931.02,11811.02 17273.98,11811.02 17324.02,11760.98 17324.02,8720 17280,8675.98 17280,8670 7937.16,8670 7928.58,8661.42 7874.02,8715.98 7874.02,8725
170VGND on Bottom Layer "DGND" (solid, remove dead copper, pour order 18): 7931.02,11811.02 7874.02,11754.02 7874.02,8715.98 7889.02,8715.98 7935,8670 7943.58,8661.42 17265,8661.42 17271.42,8661.42 17324.02,8714.02 17324.02,11760.98 17273.98,11811.02

## Keep-outs
Keep-Out Layer:
  the board outline again, w10

## Silkscreen, mask and mechanical layers (free items; w line width, h text height)
Top Overlay:
  lines w10: 14880,9070 14880,8995 14885,8990 15260,8990 15260,9070 15255,9075 14885,9075 ; 14960,8990 14960,9075 ; 15060,8990 15060,9075 ; 15190,8995 15190,9075
  text "170V" at 8345,9975 h100
  text "G" at 15425,9905 h60
  text "R" at 15530,9905 h60
  text "X" at 15630,9905 h60
  text "V" at 15725,9905 h60
  text "5V" at 8425,9885 h100
  text "GND" at 8345,9790 h100
  text "R" at 15910,9415 h60 r90
  text "F" at 15910,9290 h60 r90
  text "B0" at 14525,9010 h60
  text "V" at 14890,9000 h60
  text "IO" at 14985,9000 h60
  text "CK" at 15075,9000 h60
  text "G" at 15205,9000 h60
  text "G" at 15470,8960 h100 r90
  text "RX" at 15570,8955 h100 r90
  text "TX" at 15670,8950 h100 r90
  text "VCC" at 15780,8885 h100 r90
  text "B1" at 14530,8680 h60
Bottom Overlay:
  drawing of 2793 lines, arcs and shapes, not listed
  text "XXXX" at 13475,11730 h100 r315
  text "X" at 13695,11615 h100 r180
  text "XXXX" at 11630,11580 h100 r45
  text "XXXX" at 13630,11575 h100 r225
  text "X" at 11565,11540 h100
  text "XXXX" at 11785,11425 h100 r135
  text "Nixie Tube" at 13485,11405 h600
  text "www.github.com/big7lion" at 9230,8755 h80

## Text inside footprints (layer, text, board x,y; h text height)
BOOT: Top Overlay "0" at 14400,8870 h40 r180; Top Overlay "1" at 14740,8830 h40
ESP8266: Mechanical 13 "ANTENNA AREA" at 15930,8692.44 h10 r180; Mechanical 13 "CUTOUT POLYGON" at 15930,8712.44 h10 r180